# Altium PCB PCB4.PcbDoc (part 2 of 12) (continued)
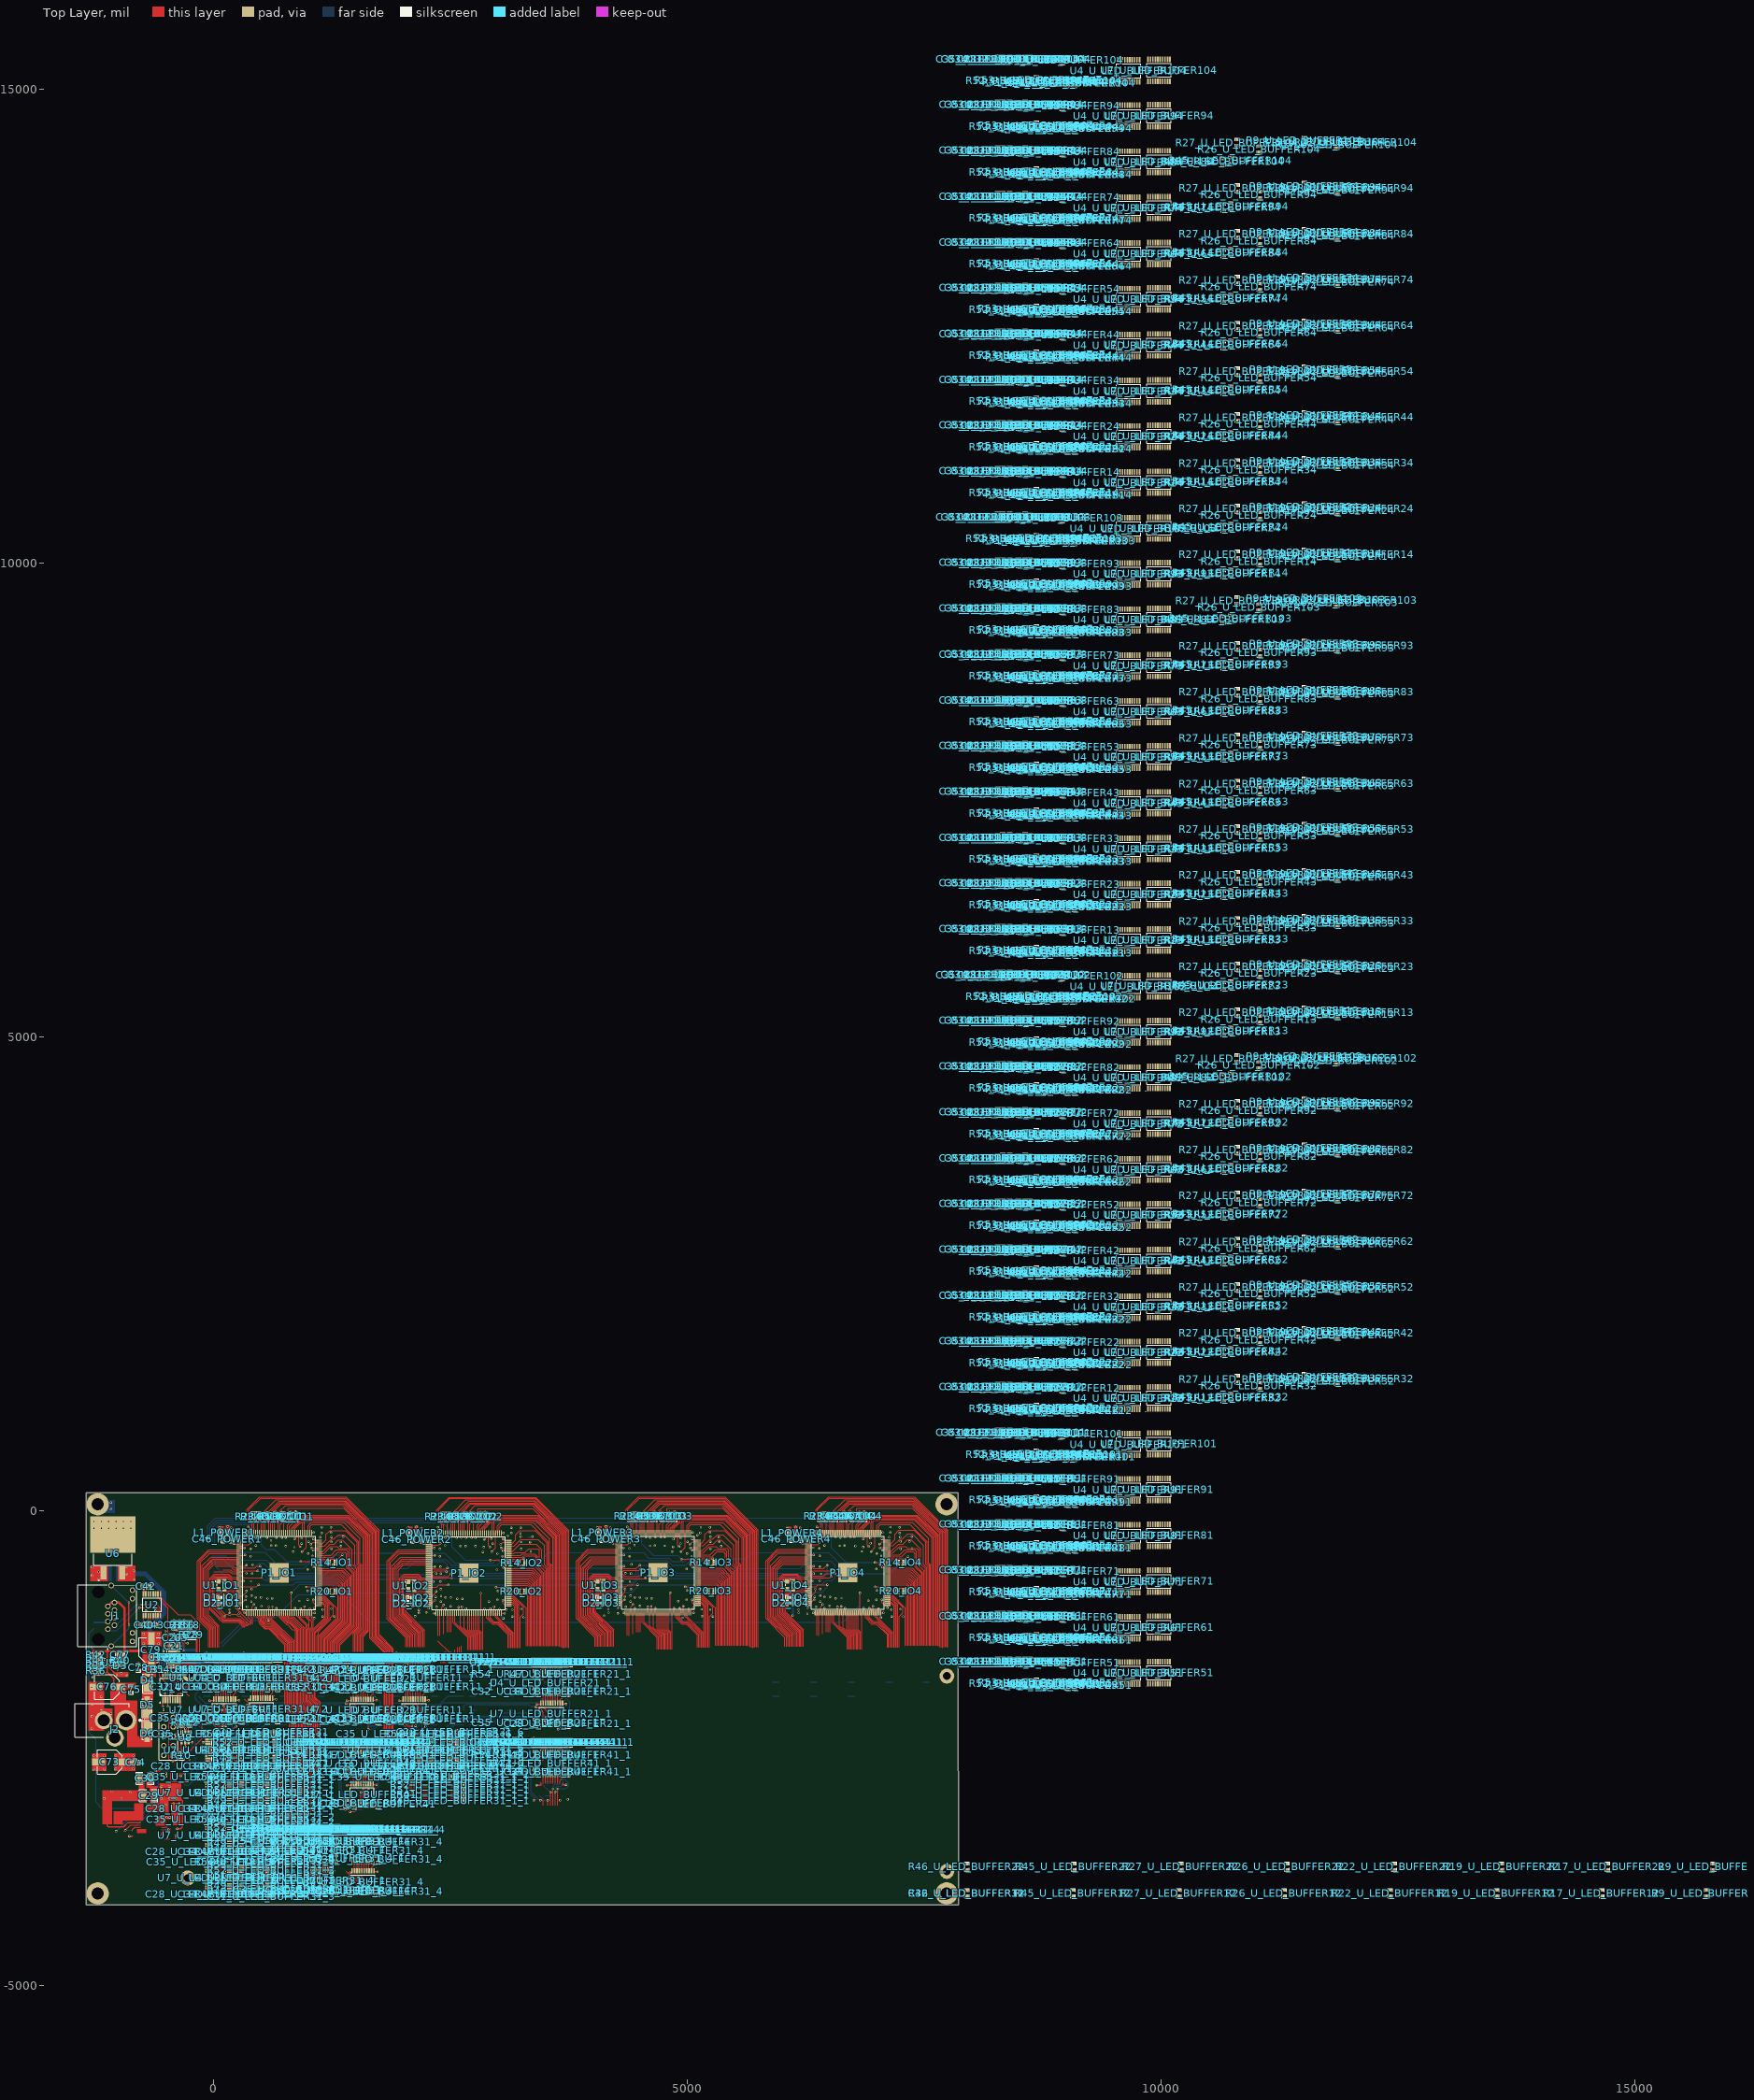
[diagram p0: Top Layer view]
## Components (designator, comment, footprint, x,y, rotation, side; value= is the part's Value field where it differs from the comment) (continued)
C35_U_LED_BUFFER31_1 "1uF/16V" 0603C -30,-2801.64 r0 top (schematic designator C35)
C35_U_LED_BUFFER31_1_1 "1uF/16V" 0603C 1970,-2801.64 r0 top (schematic designator C35)
C35_U_LED_BUFFER31_2 "1uF/16V" 0603C -30,-3251.64 r0 top (schematic designator C35)
C35_U_LED_BUFFER31_3 "1uF/16V" 0603C -30,-3701.64 r0 top (schematic designator C35)
C35_U_LED_BUFFER31_4 "1uF/16V" 0603C 1411.64,-4000 r90 top (schematic designator C35)
C35_U_LED_BUFFER31_4_1 "1uF/16V" 0603C 951.64,-3990 r90 top (schematic designator C35)
C35_U_LED_BUFFER31_4_2 "1uF/16V" 0603C 341.64,-2180 r90 top (schematic designator C35)
C35_U_LED_BUFFER31_6 "1uF/16V" 0603C 1970,-2351.64 r0 top (schematic designator C35)
C35_U_LED_BUFFER32 "1uF/16V" 0603C 8276.74,2276.75 r90 top (schematic designator C35)
C35_U_LED_BUFFER33 "1uF/16V" 0603C 8276.74,7107.45 r90 top (schematic designator C35)
C35_U_LED_BUFFER34 "1uF/16V" 0603C 8276.74,11938.15 r90 top (schematic designator C35)
C35_U_LED_BUFFER41 "1uF/16V" 0603C 1401.64,-3080 r90 top (schematic designator C35)
C35_U_LED_BUFFER42 "1uF/16V" 0603C 8276.74,2761 r90 top (schematic designator C35)
C35_U_LED_BUFFER43 "1uF/16V" 0603C 8276.74,7591.7 r90 top (schematic designator C35)
C35_U_LED_BUFFER44 "1uF/16V" 0603C 8276.74,12422.4 r90 top (schematic designator C35)
C35_U_LED_BUFFER51 "1uF/16V" 0603C 8276.74,-1585.45 r90 top (schematic designator C35)
C35_U_LED_BUFFER52 "1uF/16V" 0603C 8276.74,3245.25 r90 top (schematic designator C35)
C35_U_LED_BUFFER53 "1uF/16V" 0603C 8276.74,8075.95 r90 top (schematic designator C35)
C35_U_LED_BUFFER54 "1uF/16V" 0603C 8276.74,12906.65 r90 top (schematic designator C35)
C35_U_LED_BUFFER61 "1uF/16V" 0603C 8276.74,-1105.13 r90 top (schematic designator C35)
C35_U_LED_BUFFER62 "1uF/16V" 0603C 8276.74,3725.56 r90 top (schematic designator C35)
C35_U_LED_BUFFER63 "1uF/16V" 0603C 8276.74,8556.26 r90 top (schematic designator C35)
C35_U_LED_BUFFER64 "1uF/16V" 0603C 8276.74,13386.96 r90 top (schematic designator C35)
C35_U_LED_BUFFER71 "1uF/16V" 0603C 8276.74,-620.88 r90 top (schematic designator C35)
C35_U_LED_BUFFER72 "1uF/16V" 0603C 8276.74,4209.82 r90 top (schematic designator C35)
C35_U_LED_BUFFER73 "1uF/16V" 0603C 8276.74,9040.51 r90 top (schematic designator C35)
C35_U_LED_BUFFER74 "1uF/16V" 0603C 8276.74,13871.21 r90 top (schematic designator C35)
C35_U_LED_BUFFER81 "1uF/16V" 0603C 8276.74,-136.63 r90 top (schematic designator C35)
C35_U_LED_BUFFER82 "1uF/16V" 0603C 8276.74,4694.07 r90 top (schematic designator C35)
C35_U_LED_BUFFER83 "1uF/16V" 0603C 8276.74,9524.77 r90 top (schematic designator C35)
C35_U_LED_BUFFER84 "1uF/16V" 0603C 8276.74,14355.46 r90 top (schematic designator C35)
C35_U_LED_BUFFER91 "1uF/16V" 0603C 8276.74,347.62 r90 top (schematic designator C35)
C35_U_LED_BUFFER92 "1uF/16V" 0603C 8276.74,5178.32 r90 top (schematic designator C35)
C35_U_LED_BUFFER93 "1uF/16V" 0603C 8276.74,10009.02 r90 top (schematic designator C35)
C35_U_LED_BUFFER94 "1uF/16V" 0603C 8276.74,14839.72 r90 top (schematic designator C35)
C35_U_LED_BUFFER101 "1uF/16V" 0603C 8276.74,827.93 r90 top (schematic designator C35)
C35_U_LED_BUFFER102 "1uF/16V" 0603C 8276.74,5658.63 r90 top (schematic designator C35)
C35_U_LED_BUFFER103 "1uF/16V" 0603C 8276.74,10489.33 r90 top (schematic designator C35)
C35_U_LED_BUFFER104 "1uF/16V" 0603C 8276.74,15320.03 r90 top (schematic designator C35)
C36 "10pF/50V" 0603C -254.2,-2227.2 r270 bottom
C37 "10pF/50V" 0603C -253.2,-2577.1 r90 bottom
C38 "10pF/50V" 0603C -332.8,-2229.34 r270 bottom
C39 "10pF/50V" 0603C -332.9,-2574.66 r90 bottom
C40 "0.1uF/50V" 0603C -728.8,-1198.9 r180 top
C41 "0.1uF/50V" 0603C -710,-1008.5 r270 bottom
C42 "0.1uF/50V" 0603C -707.7,-790.1 r180 top
C43 "0.1uF/50V" 0603C -621.74,-1200.7 r180 top
C44 "0.1uF/50V" 0603C -607.6,-1008.5 r270 bottom
C45_POWER1 "0.1uF/16V" 0603C 1042.2,-934.3 r180 bottom (schematic designator C45)
C45_POWER2 "0.1uF/16V" 0603C 3043.3,-936.9 r180 bottom (schematic designator C45)
C45_POWER3 "0.1uF/16V" 0603C 5040.2,-933.45 r180 bottom (schematic designator C45)
C45_POWER4 "0.1uF/16V" 0603C 7043.2,-933.3 r180 bottom (schematic designator C45)
C46_POWER1 "10uF/25V" 0805C 149.57,-296.3 r0 top (schematic designator C46)
C46_POWER2 "10uF/25V" 0805C 2150.67,-298.9 r0 top (schematic designator C46)
C46_POWER3 "10uF/25V" 0805C 4147.57,-295.45 r0 top (schematic designator C46)
C46_POWER4 "10uF/25V" 0805C 6150.57,-295.3 r0 top (schematic designator C46)
C47_POWER1 "0.47uF/16V" 0603C 1081.2,-274.3 r0 bottom (schematic designator C47)
C47_POWER2 "0.47uF/16V" 0603C 3082.3,-276.9 r0 bottom (schematic designator C47)
C47_POWER3 "0.47uF/16V" 0603C 5079.2,-273.45 r0 bottom (schematic designator C47)
C47_POWER4 "0.47uF/16V" 0603C 7082.2,-273.3 r0 bottom (schematic designator C47)
C48_POWER1 "0.1uF/16V" 0603C 141.2,-1023.3 r180 bottom (schematic designator C48)
C48_POWER2 "0.1uF/16V" 0603C 2142.3,-1025.9 r180 bottom (schematic designator C48)
C48_POWER3 "0.1uF/16V" 0603C 4139.2,-1022.45 r180 bottom (schematic designator C48)
C48_POWER4 "0.1uF/16V" 0603C 6142.2,-1022.3 r180 bottom (schematic designator C48)
C49_POWER1 "0.1uF/16V" 0603C 346.2,-395.3 r0 bottom (schematic designator C49)
C49_POWER2 "0.1uF/16V" 0603C 2347.3,-397.9 r0 bottom (schematic designator C49)
C49_POWER3 "0.1uF/16V" 0603C 4344.2,-394.45 r0 bottom (schematic designator C49)
C49_POWER4 "0.1uF/16V" 0603C 6347.2,-394.3 r0 bottom (schematic designator C49)
C51_POWER1 "0.1uF/16V" 0603C 347.2,-338.3 r0 bottom (schematic designator C51)
C51_POWER2 "0.1uF/16V" 0603C 2348.3,-340.9 r0 bottom (schematic designator C51)
C51_POWER3 "0.1uF/16V" 0603C 4345.2,-337.45 r0 bottom (schematic designator C51)
C51_POWER4 "0.1uF/16V" 0603C 6348.2,-337.3 r0 bottom (schematic designator C51)
C52_POWER1 "0.1uF/16V" 0603C 357.2,-892.3 r0 bottom (schematic designator C52)
C52_POWER2 "0.1uF/16V" 0603C 2358.3,-894.9 r0 bottom (schematic designator C52)
C52_POWER3 "0.1uF/16V" 0603C 4355.2,-891.45 r0 bottom (schematic designator C52)
C52_POWER4 "0.1uF/16V" 0603C 6358.2,-891.3 r0 bottom (schematic designator C52)
C53_POWER1 "0.01uF/16V" 0603C 356.2,-953.3 r0 bottom (schematic designator C53)
C53_POWER2 "0.01uF/16V" 0603C 2357.3,-955.9 r0 bottom (schematic designator C53)
C53_POWER3 "0.01uF/16V" 0603C 4354.2,-952.45 r0 bottom (schematic designator C53)
C53_POWER4 "0.01uF/16V" 0603C 6357.2,-952.3 r0 bottom (schematic designator C53)
C54_POWER1 "0.47uF/16V" 0603C 1007.2,-1053.86 r270 bottom (schematic designator C54)
C54_POWER2 "0.47uF/16V" 0603C 3008.3,-1056.46 r270 bottom (schematic designator C54)
C54_POWER3 "0.47uF/16V" 0603C 5005.2,-1053.01 r270 bottom (schematic designator C54)
C54_POWER4 "0.47uF/16V" 0603C 7008.2,-1052.86 r270 bottom (schematic designator C54)
C55_POWER1 "10uF/25V" 0805C 999.2,-385.3 r90 bottom (schematic designator C55)
C55_POWER2 "10uF/25V" 0805C 3000.3,-387.9 r90 bottom (schematic designator C55)
C55_POWER3 "10uF/25V" 0805C 4997.2,-384.45 r90 bottom (schematic designator C55)
C55_POWER4 "10uF/25V" 0805C 7000.2,-384.3 r90 bottom (schematic designator C55)
C56_POWER1 "22uF/10V" 0603C 141.64,-1084.3 r0 bottom (schematic designator C56)
C56_POWER2 "22uF/10V" 0603C 2142.74,-1086.9 r0 bottom (schematic designator C56)
C56_POWER3 "22uF/10V" 0603C 4139.64,-1083.45 r0 bottom (schematic designator C56)
C56_POWER4 "22uF/10V" 0603C 6142.64,-1083.3 r0 bottom (schematic designator C56)
C57_POWER1 "0.1uF/16V" 0603C 571.2,-967.3 r90 bottom (schematic designator C57)
C57_POWER2 "0.1uF/16V" 0603C 2572.3,-969.9 r90 bottom (schematic designator C57)
C57_POWER3 "0.1uF/16V" 0603C 4569.2,-966.45 r90 bottom (schematic designator C57)
C57_POWER4 "0.1uF/16V" 0603C 6572.2,-966.3 r90 bottom (schematic designator C57)
C58_POWER1 "0.1uF/16V" 0603C 448.2,-954.3 r90 bottom (schematic designator C58)
C58_POWER2 "0.1uF/16V" 0603C 2449.3,-956.9 r90 bottom (schematic designator C58)
C58_POWER3 "0.1uF/16V" 0603C 4446.2,-953.45 r90 bottom (schematic designator C58)
C58_POWER4 "0.1uF/16V" 0603C 6449.2,-953.3 r90 bottom (schematic designator C58)
C59_POWER1 "0.1uF/16V" 0603C 349.2,-740.3 r0 bottom (schematic designator C59)
C59_POWER2 "0.1uF/16V" 0603C 2350.3,-742.9 r0 bottom (schematic designator C59)
C59_POWER3 "0.1uF/16V" 0603C 4347.2,-739.45 r0 bottom (schematic designator C59)
C59_POWER4 "0.1uF/16V" 0603C 6350.2,-739.3 r0 bottom (schematic designator C59)
C60_POWER1 "0.1uF/16V" 0603C 349.2,-475.3 r0 bottom (schematic designator C60)
C60_POWER2 "0.1uF/16V" 0603C 2350.3,-477.9 r0 bottom (schematic designator C60)
C60_POWER3 "0.1uF/16V" 0603C 4347.2,-474.45 r0 bottom (schematic designator C60)
C60_POWER4 "0.1uF/16V" 0603C 6350.2,-474.3 r0 bottom (schematic designator C60)
C61_POWER1 "0.1uF/16V" 0603C 447.2,-315.3 r270 bottom (schematic designator C61)
C61_POWER2 "0.1uF/16V" 0603C 2448.3,-317.9 r270 bottom (schematic designator C61)
C61_POWER3 "0.1uF/16V" 0603C 4445.2,-314.45 r270 bottom (schematic designator C61)
C61_POWER4 "0.1uF/16V" 0603C 6448.2,-314.3 r270 bottom (schematic designator C61)
C62_POWER1 "0.1uF/16V" 0603C 661.2,-318.3 r270 bottom (schematic designator C62)
C62_POWER2 "0.1uF/16V" 0603C 2662.3,-320.9 r270 bottom (schematic designator C62)
C62_POWER3 "0.1uF/16V" 0603C 4659.2,-317.45 r270 bottom (schematic designator C62)
C62_POWER4 "0.1uF/16V" 0603C 6662.2,-317.3 r270 bottom (schematic designator C62)
C64_POWER1 "0.1uF/16V" 0603C 855.2,-333.3 r270 bottom (schematic designator C64)
C64_POWER2 "0.1uF/16V" 0603C 2856.3,-335.9 r270 bottom (schematic designator C64)
C64_POWER3 "0.1uF/16V" 0603C 4853.2,-332.45 r270 bottom (schematic designator C64)
C64_POWER4 "0.1uF/16V" 0603C 6856.2,-332.3 r270 bottom (schematic designator C64)
C65_POWER1 "0.1uF/16V" 0603C 1044.7,-839.39 r180 bottom (schematic designator C65)
C65_POWER2 "0.1uF/16V" 0603C 3045.8,-841.99 r180 bottom (schematic designator C65)
C65_POWER3 "0.1uF/16V" 0603C 5042.7,-838.54 r180 bottom (schematic designator C65)
C65_POWER4 "0.1uF/16V" 0603C 7045.7,-838.39 r180 bottom (schematic designator C65)
C66_POWER1 "0.1uF/16V" 0603C 907.2,-993.86 r90 bottom (schematic designator C66)
C66_POWER2 "0.1uF/16V" 0603C 2908.3,-996.46 r90 bottom (schematic designator C66)
C66_POWER3 "0.1uF/16V" 0603C 4905.2,-993.01 r90 bottom (schematic designator C66)
C66_POWER4 "0.1uF/16V" 0603C 6908.2,-992.86 r90 bottom (schematic designator C66)
C67_POWER1 "0.1uF/16V" 0603C 1040.2,-612.3 r180 bottom (schematic designator C67)
C67_POWER2 "0.1uF/16V" 0603C 3041.3,-614.9 r180 bottom (schematic designator C67)
C67_POWER3 "0.1uF/16V" 0603C 5038.2,-611.45 r180 bottom (schematic designator C67)
C67_POWER4 "0.1uF/16V" 0603C 7041.2,-611.3 r180 bottom (schematic designator C67)
C68_POWER1 "0.47uF/16V" 0603C 505.2,-953.86 r90 bottom (schematic designator C68)
C68_POWER2 "0.47uF/16V" 0603C 2506.3,-956.46 r90 bottom (schematic designator C68)
C68_POWER3 "0.47uF/16V" 0603C 4503.2,-953.01 r90 bottom (schematic designator C68)
C68_POWER4 "0.47uF/16V" 0603C 6506.2,-952.86 r90 bottom (schematic designator C68)
C69_POWER1 "10uF/25V" 0805C 371.2,-634.3 r0 bottom (schematic designator C69)
C69_POWER2 "10uF/25V" 0805C 2372.3,-636.9 r0 bottom (schematic designator C69)
C69_POWER3 "10uF/25V" 0805C 4369.2,-633.45 r0 bottom (schematic designator C69)
C69_POWER4 "10uF/25V" 0805C 6372.2,-633.3 r0 bottom (schematic designator C69)
C70_POWER1 "10uF/25V" 0805C 1308.57,-397.3 r180 bottom (schematic designator C70)
C70_POWER2 "10uF/25V" 0805C 3309.67,-399.9 r180 bottom (schematic designator C70)
C70_POWER3 "10uF/25V" 0805C 5306.57,-396.45 r180 bottom (schematic designator C70)
C70_POWER4 "10uF/25V" 0805C 7309.57,-396.3 r180 bottom (schematic designator C70)
C71_POWER1 "22uF/10V" 0603C 610.86,-319.72 r90 bottom (schematic designator C71)
C71_POWER2 "22uF/10V" 0603C 2611.96,-322.32 r90 bottom (schematic designator C71)
C71_POWER3 "22uF/10V" 0603C 4608.86,-318.87 r90 bottom (schematic designator C71)
C71_POWER4 "22uF/10V" 0603C 6611.86,-318.72 r90 bottom (schematic designator C71)
C72_POWER1 "22uF/10V" 0603C 1293.57,-325.3 r180 bottom (schematic designator C72)
C72_POWER2 "22uF/10V" 0603C 3294.67,-327.9 r180 bottom (schematic designator C72)
C72_POWER3 "22uF/10V" 0603C 5291.57,-324.45 r180 bottom (schematic designator C72)
C72_POWER4 "22uF/10V" 0603C 7294.57,-324.3 r180 bottom (schematic designator C72)
C73 "10uF/63V" EEE-FN1J100L -1092.3,-2645.7 r180 top
C74 "2.2uF/50V" 0603C -817.76,-2650.1 r180 top
C75 "2.2uF/50V" 0603C -868.2,-1878.9 r90 top
C76 "10uF/63V" EEE-FN1J100L -1121.2,-1853.9 r180 top
C77 "2.2uF/50V" 0603C -979.66,-1518.82 r180 top
C78 "2.2uF/50V" 0603C -790.1,-1650.6 r270 top
C79 "10uF/63V" EEE-FN1J100L -653.8,-1464.7 r90 top
D1_IO1 "LEDR" LED_0603 91.5,-911.1 r180 top value=RED (schematic designator D1)
D1_IO2 "LEDR" LED_0603 2092.6,-913.7 r180 top value=RED (schematic designator D1)
D1_IO3 "LEDR" LED_0603 4089.5,-910.25 r180 top value=RED (schematic designator D1)
D1_IO4 "LEDR" LED_0603 6092.5,-910.1 r180 top value=RED (schematic designator D1)
D2_IO1 "LEDR" LED_0603 91.5,-970.4 r180 top value=RED (schematic designator D2)
D2_IO2 "LEDR" LED_0603 2092.6,-973 r180 top value=RED (schematic designator D2)
D2_IO3 "LEDR" LED_0603 4089.5,-969.55 r180 top value=RED (schematic designator D2)
D2_IO4 "LEDR" LED_0603 6092.5,-969.4 r180 top value=RED (schematic designator D2)
D3 "LEDR" LED_0603 -982.28,-1627.98 r180 top value=RED
D4 "V8PAM10S-M3_H" V8PAM10SHM3H -691.9,-1804 r90 top
D5 "V8PAM10S-M3_H" V8PAM10SHM3H -696.5,-2063.83 r90 top
D6 "V8PAM10S-M3_H" V8PAM10SHM3H -696,-2323.44 r270 top
D7_U_LED_BUFFER11 "LEDG" LED_0603 0,-1800 r180 bottom value=GREEN (schematic designator D7)
D7_U_LED_BUFFER11_1 "LEDG" LED_0603 2000,-1800 r180 bottom value=GREEN (schematic designator D7)
D7_U_LED_BUFFER12 "LEDG" LED_0603 8886.74,1289.74 r90 bottom value=GREEN (schematic designator D7)
D7_U_LED_BUFFER13 "LEDG" LED_0603 8886.74,6120.44 r90 bottom value=GREEN (schematic designator D7)
D7_U_LED_BUFFER14 "LEDG" LED_0603 8886.74,10951.14 r90 bottom value=GREEN (schematic designator D7)
D7_U_LED_BUFFER21 "LEDG" LED_0603 1200,-1950 r180 bottom value=GREEN (schematic designator D7)
D7_U_LED_BUFFER21_1 "LEDG" LED_0603 3200,-1950 r180 bottom value=GREEN (schematic designator D7)
D7_U_LED_BUFFER22 "LEDG" LED_0603 8886.74,1773.99 r90 bottom value=GREEN (schematic designator D7)
D7_U_LED_BUFFER23 "LEDG" LED_0603 8886.74,6604.69 r90 bottom value=GREEN (schematic designator D7)
D7_U_LED_BUFFER24 "LEDG" LED_0603 8886.74,11435.39 r90 bottom value=GREEN (schematic designator D7)
D7_U_LED_BUFFER31 "LEDG" LED_0603 400,-2250 r180 bottom value=GREEN (schematic designator D7)
D7_U_LED_BUFFER31_1 "LEDG" LED_0603 2400,-2250 r180 bottom value=GREEN (schematic designator D7)
D7_U_LED_BUFFER32 "LEDG" LED_0603 8886.74,2254.31 r90 bottom value=GREEN (schematic designator D7)
D7_U_LED_BUFFER33 "LEDG" LED_0603 8886.74,7085.01 r90 bottom value=GREEN (schematic designator D7)
D7_U_LED_BUFFER34 "LEDG" LED_0603 8886.74,11915.71 r90 bottom value=GREEN (schematic designator D7)
D7_U_LED_BUFFER41 "LEDG" LED_0603 1600,-2400 r180 bottom value=GREEN (schematic designator D7)
D7_U_LED_BUFFER41_1 "LEDG" LED_0603 3600,-2400 r180 bottom value=GREEN (schematic designator D7)
D7_U_LED_BUFFER42 "LEDG" LED_0603 8886.74,2738.56 r90 bottom value=GREEN (schematic designator D7)
D7_U_LED_BUFFER43 "LEDG" LED_0603 8886.74,7569.26 r90 bottom value=GREEN (schematic designator D7)
D7_U_LED_BUFFER44 "LEDG" LED_0603 8886.74,12399.96 r90 bottom value=GREEN (schematic designator D7)
D7_U_LED_BUFFER51 "LEDG" LED_0603 800,-2700 r180 bottom value=GREEN (schematic designator D7)
D7_U_LED_BUFFER51_1 "LEDG" LED_0603 2800,-2700 r180 bottom value=GREEN (schematic designator D7)
D7_U_LED_BUFFER52 "LEDG" LED_0603 8886.74,3222.81 r90 bottom value=GREEN (schematic designator D7)
D7_U_LED_BUFFER53 "LEDG" LED_0603 8886.74,8053.51 r90 bottom value=GREEN (schematic designator D7)
D7_U_LED_BUFFER54 "LEDG" LED_0603 8886.74,12884.21 r90 bottom value=GREEN (schematic designator D7)
D7_U_LED_BUFFER61 "LEDG" LED_0603 0,-3000 r180 bottom value=GREEN (schematic designator D7)
D7_U_LED_BUFFER61_1 "LEDG" LED_0603 2000,-3000 r180 bottom value=GREEN (schematic designator D7)
D7_U_LED_BUFFER62 "LEDG" LED_0603 8886.74,3703.12 r90 bottom value=GREEN (schematic designator D7)
D7_U_LED_BUFFER63 "LEDG" LED_0603 8886.74,8533.82 r90 bottom value=GREEN (schematic designator D7)
D7_U_LED_BUFFER64 "LEDG" LED_0603 8886.74,13364.52 r90 bottom value=GREEN (schematic designator D7)
D7_U_LED_BUFFER71 "LEDG" LED_0603 1200,-3150 r180 bottom value=GREEN (schematic designator D7)
D7_U_LED_BUFFER72 "LEDG" LED_0603 8886.74,4187.38 r90 bottom value=GREEN (schematic designator D7)
D7_U_LED_BUFFER73 "LEDG" LED_0603 8886.74,9018.07 r90 bottom value=GREEN (schematic designator D7)
D7_U_LED_BUFFER74 "LEDG" LED_0603 8886.74,13848.77 r90 bottom value=GREEN (schematic designator D7)
D7_U_LED_BUFFER81 "LEDG" LED_0603 400,-3450 r180 bottom value=GREEN (schematic designator D7)
D7_U_LED_BUFFER82 "LEDG" LED_0603 8886.74,4671.63 r90 bottom value=GREEN (schematic designator D7)
D7_U_LED_BUFFER83 "LEDG" LED_0603 8886.74,9502.32 r90 bottom value=GREEN (schematic designator D7)
D7_U_LED_BUFFER84 "LEDG" LED_0603 8886.74,14333.02 r90 bottom value=GREEN (schematic designator D7)
D7_U_LED_BUFFER91 "LEDG" LED_0603 1600,-3600 r180 bottom value=GREEN (schematic designator D7)
D7_U_LED_BUFFER92 "LEDG" LED_0603 8886.74,5155.88 r90 bottom value=GREEN (schematic designator D7)
D7_U_LED_BUFFER93 "LEDG" LED_0603 8886.74,9986.58 r90 bottom value=GREEN (schematic designator D7)
D7_U_LED_BUFFER94 "LEDG" LED_0603 8886.74,14817.27 r90 bottom value=GREEN (schematic designator D7)
D7_U_LED_BUFFER101 "LEDG" LED_0603 800,-3900 r180 bottom value=GREEN (schematic designator D7)
D7_U_LED_BUFFER102 "LEDG" LED_0603 8886.74,5636.19 r90 bottom value=GREEN (schematic designator D7)
D7_U_LED_BUFFER103 "LEDG" LED_0603 8886.74,10466.89 r90 bottom value=GREEN (schematic designator D7)
D7_U_LED_BUFFER104 "LEDG" LED_0603 8886.74,15297.59 r90 bottom value=GREEN (schematic designator D7)
D8_U_LED_BUFFER11 "LEDG" LED_0603 400,-1800 r180 bottom value=GREEN (schematic designator D8)
D8_U_LED_BUFFER11_1 "LEDG" LED_0603 2400,-1800 r180 bottom value=GREEN (schematic designator D8)
D8_U_LED_BUFFER12 "LEDG" LED_0603 8726.74,1299.74 r90 bottom value=GREEN (schematic designator D8)
D8_U_LED_BUFFER13 "LEDG" LED_0603 8726.74,6130.44 r90 bottom value=GREEN (schematic designator D8)
D8_U_LED_BUFFER14 "LEDG" LED_0603 8726.74,10961.14 r90 bottom value=GREEN (schematic designator D8)
D8_U_LED_BUFFER21 "LEDG" LED_0603 1600,-1950 r180 bottom value=GREEN (schematic designator D8)
D8_U_LED_BUFFER21_1 "LEDG" LED_0603 3600,-1950 r180 bottom value=GREEN (schematic designator D8)
D8_U_LED_BUFFER22 "LEDG" LED_0603 8726.74,1783.99 r90 bottom value=GREEN (schematic designator D8)
D8_U_LED_BUFFER23 "LEDG" LED_0603 8726.74,6614.69 r90 bottom value=GREEN (schematic designator D8)
D8_U_LED_BUFFER24 "LEDG" LED_0603 8726.74,11445.39 r90 bottom value=GREEN (schematic designator D8)
D8_U_LED_BUFFER31 "LEDG" LED_0603 800,-2250 r180 bottom value=GREEN (schematic designator D8)
D8_U_LED_BUFFER31_1 "LEDG" LED_0603 2800,-2250 r180 bottom value=GREEN (schematic designator D8)
D8_U_LED_BUFFER32 "LEDG" LED_0603 8726.74,2264.31 r90 bottom value=GREEN (schematic designator D8)
D8_U_LED_BUFFER33 "LEDG" LED_0603 8726.74,7095.01 r90 bottom value=GREEN (schematic designator D8)
D8_U_LED_BUFFER34 "LEDG" LED_0603 8726.74,11925.71 r90 bottom value=GREEN (schematic designator D8)
D8_U_LED_BUFFER41 "LEDG" LED_0603 1600.47,-2549.37 r180 bottom value=GREEN (schematic designator D8)
D8_U_LED_BUFFER41_1 "LEDG" LED_0603 3600.47,-2549.37 r180 bottom value=GREEN (schematic designator D8)
D8_U_LED_BUFFER42 "LEDG" LED_0603 8726.74,2748.56 r90 bottom value=GREEN (schematic designator D8)
D8_U_LED_BUFFER43 "LEDG" LED_0603 8726.74,7579.26 r90 bottom value=GREEN (schematic designator D8)
D8_U_LED_BUFFER44 "LEDG" LED_0603 8726.74,12409.96 r90 bottom value=GREEN (schematic designator D8)
D8_U_LED_BUFFER51 "LEDG" LED_0603 1200,-2700 r180 bottom value=GREEN (schematic designator D8)
D8_U_LED_BUFFER51_1 "LEDG" LED_0603 3200,-2700 r180 bottom value=GREEN (schematic designator D8)
D8_U_LED_BUFFER52 "LEDG" LED_0603 8726.74,3232.81 r90 bottom value=GREEN (schematic designator D8)
D8_U_LED_BUFFER53 "LEDG" LED_0603 8726.74,8063.51 r90 bottom value=GREEN (schematic designator D8)
D8_U_LED_BUFFER54 "LEDG" LED_0603 8726.74,12894.21 r90 bottom value=GREEN (schematic designator D8)
D8_U_LED_BUFFER61 "LEDG" LED_0603 400,-3000 r180 bottom value=GREEN (schematic designator D8)
D8_U_LED_BUFFER61_1 "LEDG" LED_0603 2400,-3000 r180 bottom value=GREEN (schematic designator D8)
D8_U_LED_BUFFER62 "LEDG" LED_0603 8726.74,3713.12 r90 bottom value=GREEN (schematic designator D8)
D8_U_LED_BUFFER63 "LEDG" LED_0603 8726.74,8543.82 r90 bottom value=GREEN (schematic designator D8)
D8_U_LED_BUFFER64 "LEDG" LED_0603 8726.74,13374.52 r90 bottom value=GREEN (schematic designator D8)
D8_U_LED_BUFFER71 "LEDG" LED_0603 2020,-3000 r180 bottom value=GREEN (schematic designator D8)
D8_U_LED_BUFFER72 "LEDG" LED_0603 8726.74,4197.38 r90 bottom value=GREEN (schematic designator D8)
D8_U_LED_BUFFER73 "LEDG" LED_0603 8726.74,9028.07 r90 bottom value=GREEN (schematic designator D8)
D8_U_LED_BUFFER74 "LEDG" LED_0603 8726.74,13858.77 r90 bottom value=GREEN (schematic designator D8)
D8_U_LED_BUFFER81 "LEDG" LED_0603 800,-3450 r180 bottom value=GREEN (schematic designator D8)
D8_U_LED_BUFFER82 "LEDG" LED_0603 8726.74,4681.63 r90 bottom value=GREEN (schematic designator D8)
D8_U_LED_BUFFER83 "LEDG" LED_0603 8726.74,9512.32 r90 bottom value=GREEN (schematic designator D8)
D8_U_LED_BUFFER84 "LEDG" LED_0603 8726.74,14343.02 r90 bottom value=GREEN (schematic designator D8)
D8_U_LED_BUFFER91 "LEDG" LED_0603 0,-3750 r180 bottom value=GREEN (schematic designator D8)
D8_U_LED_BUFFER92 "LEDG" LED_0603 8726.74,5165.88 r90 bottom value=GREEN (schematic designator D8)
D8_U_LED_BUFFER93 "LEDG" LED_0603 8726.74,9996.58 r90 bottom value=GREEN (schematic designator D8)
D8_U_LED_BUFFER94 "LEDG" LED_0603 8726.74,14827.27 r90 bottom value=GREEN (schematic designator D8)
D8_U_LED_BUFFER101 "LEDG" LED_0603 1200,-3900 r180 bottom value=GREEN (schematic designator D8)
D8_U_LED_BUFFER102 "LEDG" LED_0603 8726.74,5646.19 r90 bottom value=GREEN (schematic designator D8)
D8_U_LED_BUFFER103 "LEDG" LED_0603 8726.74,10476.89 r90 bottom value=GREEN (schematic designator D8)
D8_U_LED_BUFFER104 "LEDG" LED_0603 8726.74,15307.59 r90 bottom value=GREEN (schematic designator D8)
D9_U_LED_BUFFER11 "LEDG" LED_0603 800,-1800 r180 bottom value=GREEN (schematic designator D9)
D9_U_LED_BUFFER11_1 "LEDG" LED_0603 2800,-1800 r180 bottom value=GREEN (schematic designator D9)
D9_U_LED_BUFFER12 "LEDG" LED_0603 9073.61,1258.63 r90 bottom value=GREEN (schematic designator D9)
D9_U_LED_BUFFER13 "LEDG" LED_0603 9073.61,6089.33 r90 bottom value=GREEN (schematic designator D9)
D9_U_LED_BUFFER14 "LEDG" LED_0603 9073.61,10920.03 r90 bottom value=GREEN (schematic designator D9)
D9_U_LED_BUFFER21 "LEDG" LED_0603 0,-2100 r180 bottom value=GREEN (schematic designator D9)
D9_U_LED_BUFFER21_1 "LEDG" LED_0603 2000,-2100 r180 bottom value=GREEN (schematic designator D9)
D9_U_LED_BUFFER22 "LEDG" LED_0603 9073.61,1742.88 r90 bottom value=GREEN (schematic designator D9)
D9_U_LED_BUFFER23 "LEDG" LED_0603 9073.61,6573.58 r90 bottom value=GREEN (schematic designator D9)
D9_U_LED_BUFFER24 "LEDG" LED_0603 9073.61,11404.28 r90 bottom value=GREEN (schematic designator D9)
D9_U_LED_BUFFER31 "LEDG" LED_0603 1200,-2250 r180 bottom value=GREEN (schematic designator D9)
D9_U_LED_BUFFER31_1 "LEDG" LED_0603 3200,-2250 r180 bottom value=GREEN (schematic designator D9)
D9_U_LED_BUFFER32 "LEDG" LED_0603 9073.61,2223.19 r90 bottom value=GREEN (schematic designator D9)
D9_U_LED_BUFFER33 "LEDG" LED_0603 9073.61,7053.89 r90 bottom value=GREEN (schematic designator D9)
D9_U_LED_BUFFER34 "LEDG" LED_0603 9073.61,11884.59 r90 bottom value=GREEN (schematic designator D9)
D9_U_LED_BUFFER41 "LEDG" LED_0603 1600,-2700 r180 bottom value=GREEN (schematic designator D9)
D9_U_LED_BUFFER41_1 "LEDG" LED_0603 3600,-2700 r180 bottom value=GREEN (schematic designator D9)
D9_U_LED_BUFFER42 "LEDG" LED_0603 9073.61,2707.45 r90 bottom value=GREEN (schematic designator D9)
D9_U_LED_BUFFER43 "LEDG" LED_0603 9073.61,7538.14 r90 bottom value=GREEN (schematic designator D9)
D9_U_LED_BUFFER44 "LEDG" LED_0603 9073.61,12368.84 r90 bottom value=GREEN (schematic designator D9)
D9_U_LED_BUFFER51 "LEDG" LED_0603 2150,-2550 r180 bottom value=GREEN (schematic designator D9)
D9_U_LED_BUFFER52 "LEDG" LED_0603 9073.61,3191.7 r90 bottom value=GREEN (schematic designator D9)
D9_U_LED_BUFFER53 "LEDG" LED_0603 9073.61,8022.4 r90 bottom value=GREEN (schematic designator D9)
D9_U_LED_BUFFER54 "LEDG" LED_0603 9073.61,12853.09 r90 bottom value=GREEN (schematic designator D9)
D9_U_LED_BUFFER61 "LEDG" LED_0603 800,-3000 r180 bottom value=GREEN (schematic designator D9)
D9_U_LED_BUFFER61_1 "LEDG" LED_0603 2800,-3000 r180 bottom value=GREEN (schematic designator D9)
D9_U_LED_BUFFER62 "LEDG" LED_0603 9073.61,3672.01 r90 bottom value=GREEN (schematic designator D9)
D9_U_LED_BUFFER63 "LEDG" LED_0603 9073.61,8502.71 r90 bottom value=GREEN (schematic designator D9)
D9_U_LED_BUFFER64 "LEDG" LED_0603 9073.61,13333.41 r90 bottom value=GREEN (schematic designator D9)
D9_U_LED_BUFFER71 "LEDG" LED_0603 0,-3300 r180 bottom value=GREEN (schematic designator D9)
D9_U_LED_BUFFER72 "LEDG" LED_0603 9073.61,4156.26 r90 bottom value=GREEN (schematic designator D9)
D9_U_LED_BUFFER73 "LEDG" LED_0603 9073.61,8986.96 r90 bottom value=GREEN (schematic designator D9)
D9_U_LED_BUFFER74 "LEDG" LED_0603 9073.61,13817.66 r90 bottom value=GREEN (schematic designator D9)
D9_U_LED_BUFFER81 "LEDG" LED_0603 1200,-3450 r180 bottom value=GREEN (schematic designator D9)
D9_U_LED_BUFFER82 "LEDG" LED_0603 9073.61,4640.51 r90 bottom value=GREEN (schematic designator D9)
D9_U_LED_BUFFER83 "LEDG" LED_0603 9073.61,9471.21 r90 bottom value=GREEN (schematic designator D9)
D9_U_LED_BUFFER84 "LEDG" LED_0603 9073.61,14301.91 r90 bottom value=GREEN (schematic designator D9)
D9_U_LED_BUFFER91 "LEDG" LED_0603 400,-3750 r180 bottom value=GREEN (schematic designator D9)
D9_U_LED_BUFFER92 "LEDG" LED_0603 9073.61,5124.76 r90 bottom value=GREEN (schematic designator D9)
D9_U_LED_BUFFER93 "LEDG" LED_0603 9073.61,9955.46 r90 bottom value=GREEN (schematic designator D9)
D9_U_LED_BUFFER94 "LEDG" LED_0603 9073.61,14786.16 r90 bottom value=GREEN (schematic designator D9)
D9_U_LED_BUFFER101 "LEDG" LED_0603 1600,-3900 r180 bottom value=GREEN (schematic designator D9)
D9_U_LED_BUFFER102 "LEDG" LED_0603 9073.61,5605.08 r90 bottom value=GREEN (schematic designator D9)
D9_U_LED_BUFFER103 "LEDG" LED_0603 9073.61,10435.78 r90 bottom value=GREEN (schematic designator D9)
D9_U_LED_BUFFER104 "LEDG" LED_0603 9073.61,15266.48 r90 bottom value=GREEN (schematic designator D9)
D10_U_LED_BUFFER11 "LEDG" LED_0603 1200,-1800 r180 bottom value=GREEN (schematic designator D10)
D10_U_LED_BUFFER11_1 "LEDG" LED_0603 3200,-1800 r180 bottom value=GREEN (schematic designator D10)
D10_U_LED_BUFFER12 "LEDG" LED_0603 9386.74,1279.74 r90 bottom value=GREEN (schematic designator D10)
D10_U_LED_BUFFER13 "LEDG" LED_0603 9386.74,6110.44 r90 bottom value=GREEN (schematic designator D10)
D10_U_LED_BUFFER14 "LEDG" LED_0603 9386.74,10941.14 r90 bottom value=GREEN (schematic designator D10)
D10_U_LED_BUFFER21 "LEDG" LED_0603 400,-2100 r180 bottom value=GREEN (schematic designator D10)
D10_U_LED_BUFFER21_1 "LEDG" LED_0603 2400,-2100 r180 bottom value=GREEN (schematic designator D10)
D10_U_LED_BUFFER22 "LEDG" LED_0603 9386.74,1763.99 r90 bottom value=GREEN (schematic designator D10)
D10_U_LED_BUFFER23 "LEDG" LED_0603 9386.74,6594.69 r90 bottom value=GREEN (schematic designator D10)
D10_U_LED_BUFFER24 "LEDG" LED_0603 9386.74,11425.39 r90 bottom value=GREEN (schematic designator D10)
D10_U_LED_BUFFER31 "LEDG" LED_0603 1600,-2250 r180 bottom value=GREEN (schematic designator D10)
D10_U_LED_BUFFER31_1 "LEDG" LED_0603 3600,-2250 r180 bottom value=GREEN (schematic designator D10)
D10_U_LED_BUFFER32 "LEDG" LED_0603 9386.74,2244.31 r90 bottom value=GREEN (schematic designator D10)
D10_U_LED_BUFFER33 "LEDG" LED_0603 9386.74,7075.01 r90 bottom value=GREEN (schematic designator D10)
D10_U_LED_BUFFER34 "LEDG" LED_0603 9386.74,11905.71 r90 bottom value=GREEN (schematic designator D10)
D10_U_LED_BUFFER41 "LEDG" LED_0603 1600,-2850 r180 bottom value=GREEN (schematic designator D10)
D10_U_LED_BUFFER41_1 "LEDG" LED_0603 3600,-2850 r180 bottom value=GREEN (schematic designator D10)
D10_U_LED_BUFFER42 "LEDG" LED_0603 9386.74,2728.56 r90 bottom value=GREEN (schematic designator D10)